# Altium PCB bms_R00.PcbDoc (part 3 of 3)
Units mm, origin at the board's own origin, x right, y up, seen from the top; angles counter-clockwise.
Board outline 110 x 142 mm, 2 copper layers (Top Layer, Bottom Layer); 311 components, 169 nets, 819 pads, 521 vias.
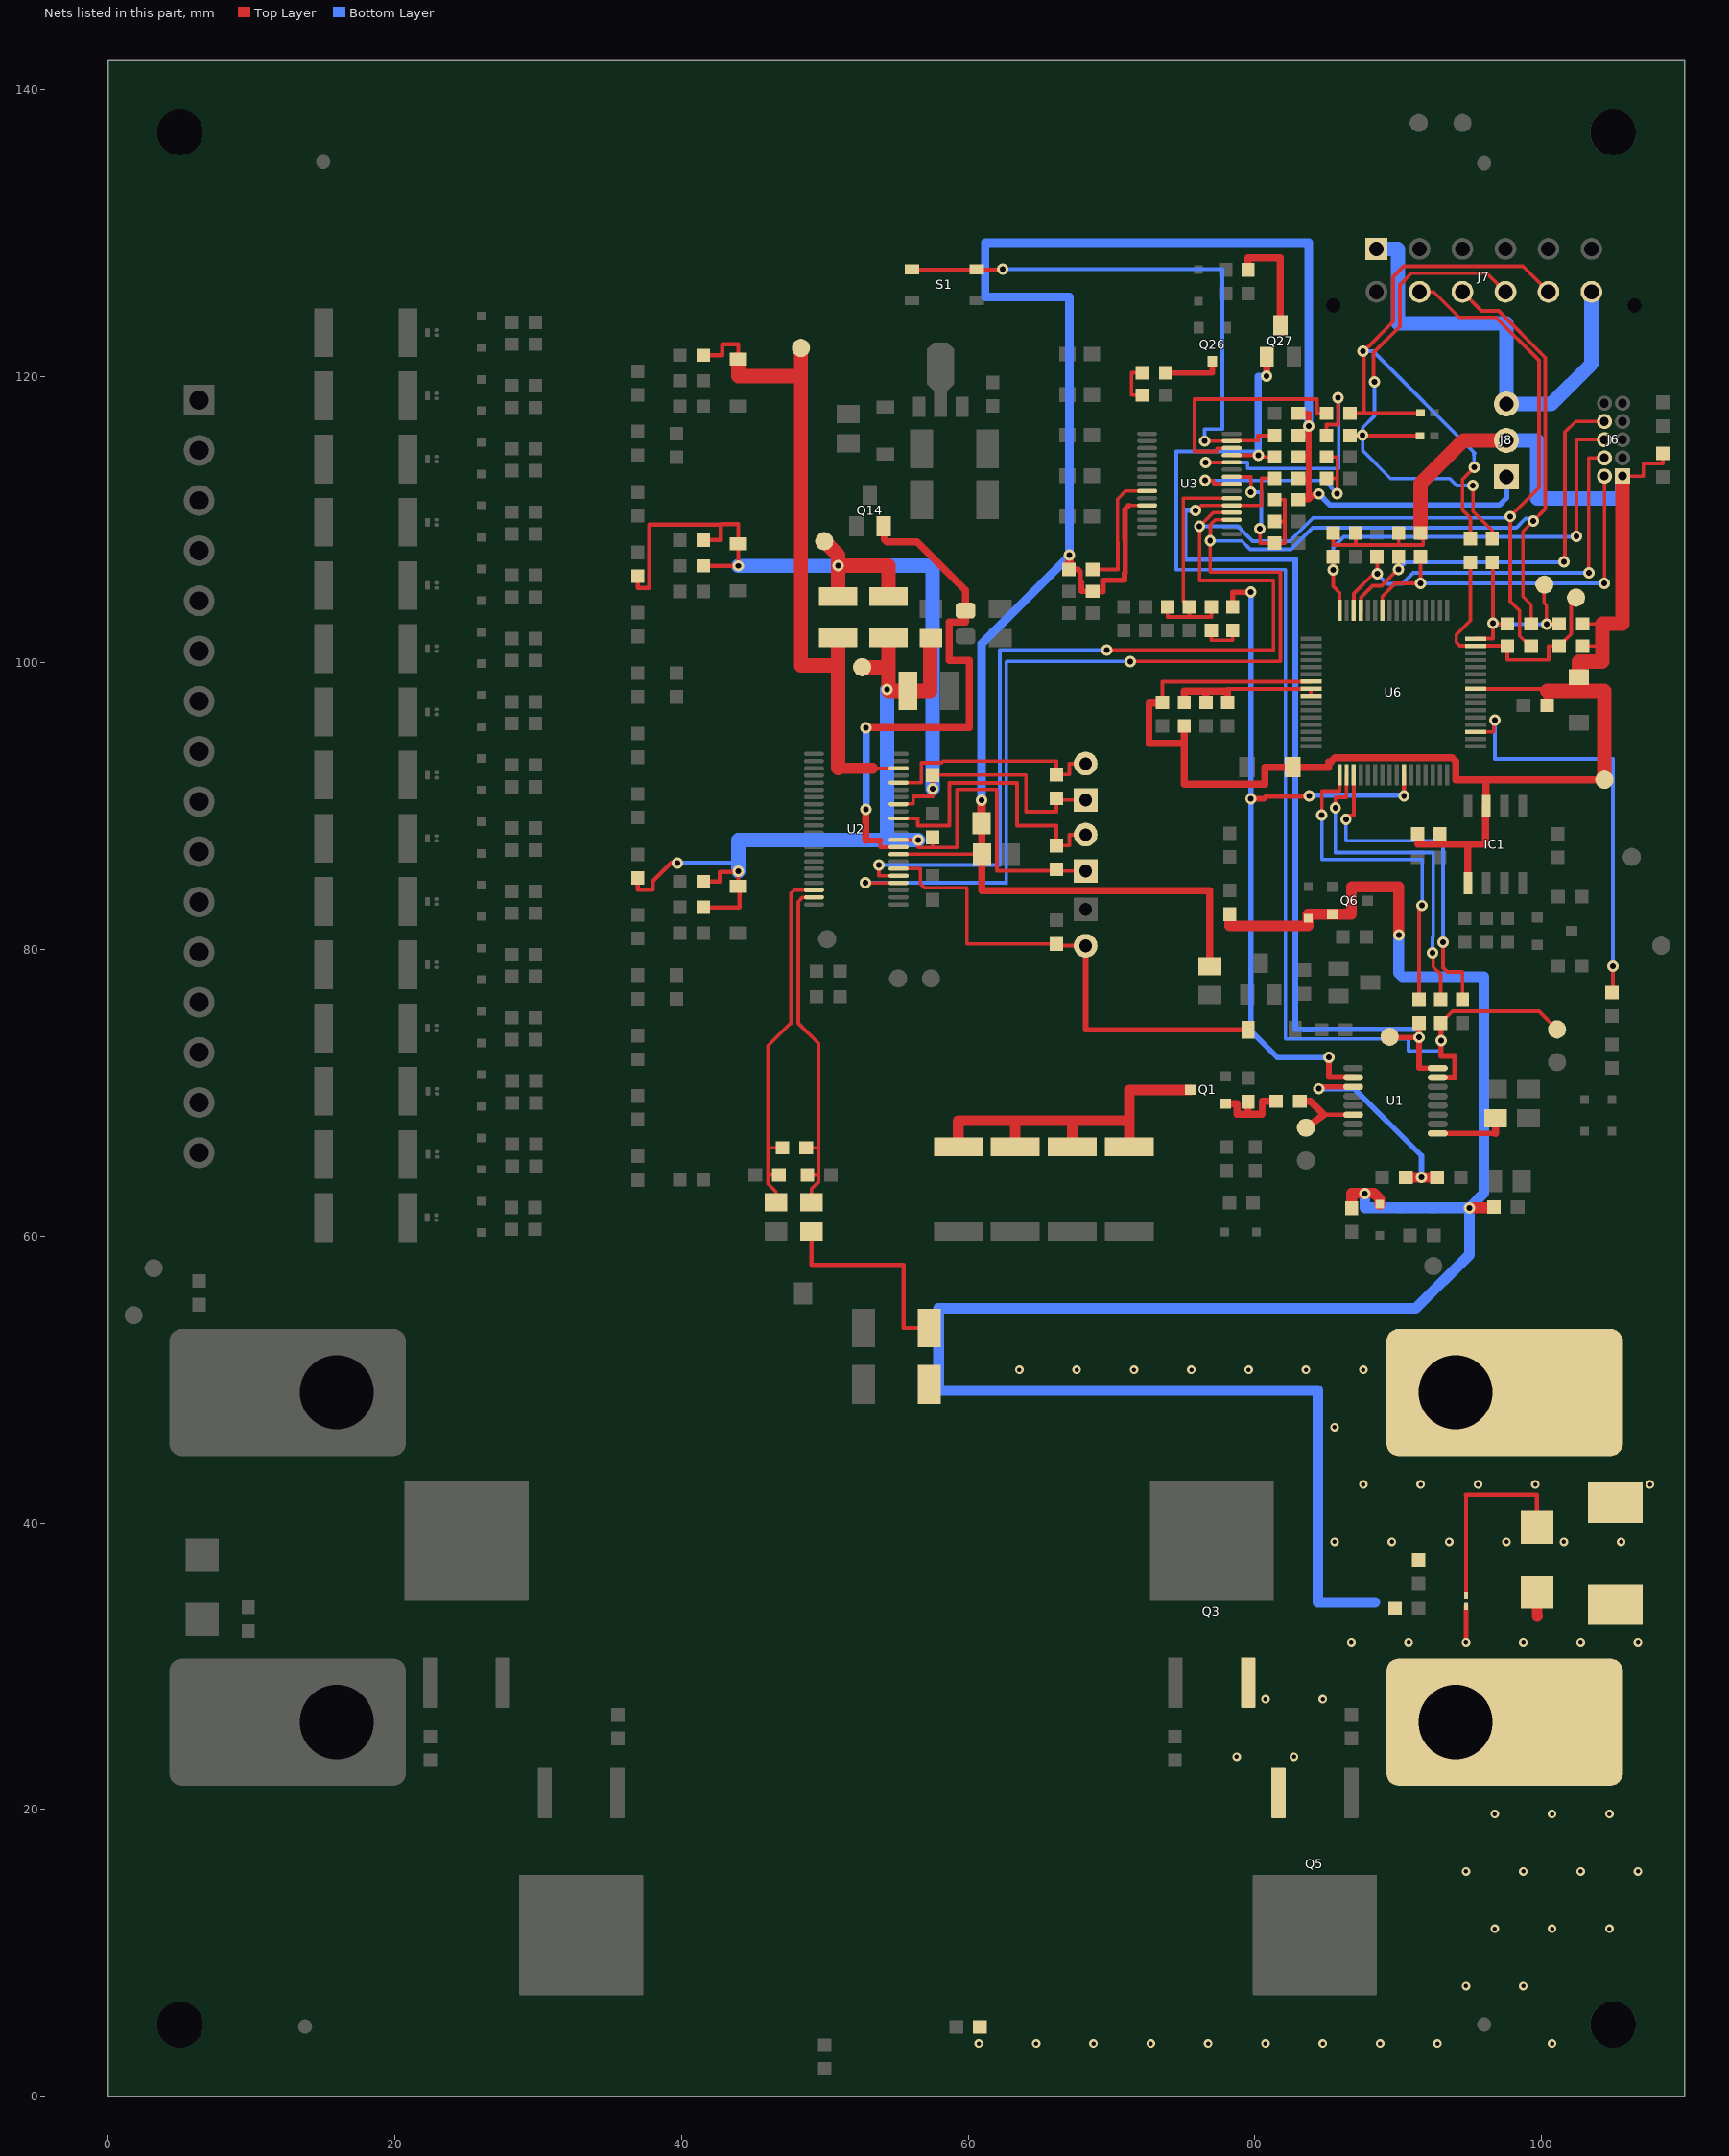
[diagram p3: the nets of this part, all layers, seen from the top]

## Via types
v1: diameter 0.6, hole 0.3, Top Layer to Bottom Layer, tented both sides, 380 vias
v2: diameter 0.8, hole 0.4, Top Layer to Bottom Layer, tented both sides, 141 vias

## Nets (pads, with @x,y where several pads share a name; then routed paths per layer and width w, separated by ;. In a path a pad name is that pad's centre, name@x,y a point inside that pad or via, vN(x,y) a via of type N, cw(c..) or ccw(c..) an arc to the next point about the centre after c; other vN are vias at no path point) (continued)
NetQ26_3: Q26.3 R85.1 | length 4
  Top Layer w0.381: R85.1@73.799,120.23 77.038,120.23 Q26.3@77.038,120.992
NetQ27_3: Q27.3 R83.1 | length 7.8
  Top Layer w0.5: R83.1@79.527,127.419 79.527,128.245 81.788,128.245 Q27.3@81.788,123.545
NetR84_2: R84.2 R86.1 | length 2.9
  Top Layer w0.254: R86.1@76.962,102.26 76.962,101.575 78.461,101.575 R84.2@78.46,102.26
NetR85_2: R85.2 R87.1 | length 3
  Top Layer w0.254: R87.1@72.149,118.681 71.399,118.681 71.399,120.23 R85.2@72.149,120.23
NetR90_1: R90.1 S1.1 S1.2 U3.14 | length 40.2
  Top Layer w0.254: S1.1@56.094,127.44 S1.2@60.594,127.44 62.408,127.44 v2(62.408,127.457) ; v2(76.505,115.468) 78.373,115.468 U3.14@78.388,115.483 78.388,115.506 80.21,115.506 80.21,115.862 R90.1@81.395,115.862
  Bottom Layer w0.254: v2(62.408,127.457) 77.749,127.457 77.749,116.307 76.505,116.307 v2(76.505,115.468)
NetR94_1: R94.1 R99.1 U3.8 | length 15.7
  Top Layer w0.254: v2(76.53,112.725) 77.114,112.725 77.114,112.483 U3.8@78.388,112.483 ; R94.1@85.002,112.878 85.75,112.878 ; R99.1@85.002,114.363 85.75,114.363 85.75,112.878 ; v2(85.75,111.811) 85.75,112.878
  Bottom Layer w0.254: v2(76.53,112.725) 84.836,112.725 v2(85.75,111.811)
NetR95_1: R95.1 R96.2 R98.1 U3.9 | length 12.9
  Top Layer w0.254: U3.9@78.388,112.983 79.731,112.983 v2(79.731,111.912) ; v2(80.366,109.372) 80.366,108.356 R95.1@81.395,108.356 82.093,108.356 82.093,109.868 ; R98.1@81.395,109.855 81.395,109.868 82.093,109.868 ; R96.2@81.395,111.379 82.093,111.379 82.093,109.868
  Bottom Layer w0.254: v2(79.731,111.912) 80.442,111.912 80.442,109.372 v2(80.366,109.372)
NetR97_1: R97.1 U3.24 | length 9
  Top Layer w0.254: R97.1@68.682,106.514 70.434,106.514 70.434,108.349 70.426,108.357 70.426,111.422 70.988,111.983 U3.24@72.488,111.983
NetR100_1: R100.1 U3.11 | length 19.9
  Top Layer w0.254: v2(76.581,113.983) U3.11@78.388,113.983 ; R100.1@85.001,115.862 85.001,116.622 85.803,116.622 85.803,118.491 v2(85.801,118.491)
  Bottom Layer w0.254: v2(76.581,113.983) 79.502,113.983 79.502,113.563 85.852,113.563 85.852,118.491 v2(85.801,118.491)
NetR101_1: R101.1 U3.13 | length 16.7
  Top Layer w0.254: U3.13@78.388,114.983 78.388,114.96 77.361,114.96 77.361,114.741 75.778,114.741 75.778,118.389 84.337,118.389 84.337,117.411 R101.1@85.001,117.411
PACK: R17.1 R18.2 U1.11 | length 15.3
  Top Layer w0.381: v2(84.48,70.282) 84.48,70.419 U1.11@86.864,70.419
  Top Layer w0.75: R17.1@90.538,64.11 v2(91.627,64.11) R18.2@92.717,64.11
  Bottom Layer w0.381: v2(84.48,70.282) 86.954,70.282 91.627,65.608 v2(91.627,64.11)
PACK+: C2.1 C4.2 D2.K D3.1 D5.2 D7.1 E1.1 J4.1 Q3.3 Q5.3 Q6.2 R11.2 R16.2 R19.2 | length 154.5
  Top Layer w0.35: v1(94.742,31.674) E1.1@94.742,34.163
  Top Layer w0.75: R19.2@78.257,82.462 78.257,81.639 83.718,81.639 D7.1@83.718,82.187 83.718,82.464 Q6.2@85.439,82.464 86.741,82.464 86.741,84.379 90.043,84.379 v2(90.043,81.001) ; R11.2@86.766,61.95 86.766,62.992 88.323,62.992 88.722,62.593 D5.2@88.722,62.246 D5.2@88.722,62.219 ; v2(94.971,61.976) 96.686,61.976 R16.2@96.686,62.027 ; D2.K@99.695,35.179 99.695,33.528 99.72,33.528
  Bottom Layer w0.75: v2(87.681,62.967) 87.681,61.976 v2(94.971,61.976) ; 88.367,34.442 84.404,34.442 84.404,49.251 57.937,49.251 57.937,54.966 91.237,54.966 94.971,58.699 v2(94.971,61.976) ; v2(90.043,81.001) 90.043,78.359 90.297,78.105 95.987,78.105 95.987,62.992 v2(94.971,61.976)
  other v1: 60.742,3.674 64.742,3.674 68.742,3.674 72.742,3.674 76.742,3.674 80.742,3.674 84.742,3.674 88.742,3.674 92.742,3.674 100.742,3.674 94.742,7.674 98.742,7.674 96.742,11.674 100.742,11.674 104.742,11.674 94.742,15.674 98.742,15.674 102.742,15.674 106.742,15.674 96.742,19.674 100.742,19.674 104.742,19.674 78.742,23.674 82.742,23.674 80.742,27.674 84.742,27.674 86.742,31.674 90.742,31.674 98.742,31.674 102.742,31.674 106.742,31.674
PACK-: C1.2 D2.A D3.2 E1.2 J2.1 R2.2 R3.2 R80.1 | length 29.2
  Top Layer w0.254: E1.2@94.742,34.925 94.742,41.961
  Top Layer w0.3: R80.1@49.073,60.325 49.073,57.988 55.499,57.988 55.499,53.594 R2.2@57.3,53.594 ; 94.742,41.961 99.695,41.961 D2.A@99.695,39.679
  other v1: 85.567,38.672 89.567,38.672 93.567,38.672 97.567,38.672 101.567,38.672 105.567,38.672 87.567,42.672 91.567,42.672 95.567,42.672 99.567,42.672 107.567,42.672 85.567,46.672 63.567,50.672 67.567,50.672 71.567,50.672 75.567,50.672 79.567,50.672 83.567,50.672 87.567,50.672
PACKDIV: R84.1 U1.10 U6.26 | length 54.5
  Top Layer w0.3: v2(90.41,90.703) U6.26@90.41,92.199
  Top Layer w0.381: R84.1@78.46,103.91 78.46,104.927 v2(79.731,104.927) ; v2(79.731,90.514) 80.634,90.514 80.823,90.703 v2(83.795,90.703) ; v2(85.166,72.466) 85.166,71.103 86.864,71.103 U1.10@86.864,71.069
  Bottom Layer w0.381: v2(79.731,104.927) v2(79.731,90.514) 79.731,74.306 81.57,72.466 v2(85.166,72.466) ; v2(83.795,90.703) 83.849,90.757 90.356,90.757 v2(90.41,90.703)
PCHG: R14.2 TP2.1 U1.14 | length 5.6
  Top Layer w0.3: 84.811,68.469 U1.14@86.864,68.469
  Top Layer w0.5: R14.2@83.146,69.405 83.876,69.405 84.811,68.47 84.811,68.469 TP2.1@83.566,67.564
PCHG_EN: R92.2 RDNP1.2 TP8.1 U1.8 U3.5 | length 68
  Top Layer w0.254: v2(75.87,110.642) 75.921,110.642 76.262,110.983 U3.5@78.388,110.983 80.467,110.983 80.467,112.878 R92.2@81.395,112.878
  Top Layer w0.381: TP8.1@89.408,73.914 89.459,73.863 v2(91.465,73.863) ; RDNP1.2@91.465,74.867 v2(91.465,73.863) ; U1.8@92.764,71.719 91.465,71.719 v2(91.465,73.863)
  Bottom Layer w0.381: v2(75.87,110.642) 75.108,110.642 75.108,107.239 82.829,107.239 82.829,74.422 83.413,74.422 83.416,74.419 84.071,74.419 84.074,74.422 91.465,74.422 v2(91.465,73.863)
PDRAIN: Q1.3 R5.1 R6.1 R7.1 R8.1 | length 25.7
  Top Layer w0.75: R5.1@59.309,66.222 59.309,68.047 63.288,68.047 ; R6.1@63.288,66.222 63.288,68.047 ; R7.1@67.268,66.222 67.268,68.047 ; R8.1@71.247,66.222 71.247,68.047 ; Q1.3@75.533,70.206 71.247,70.206 71.247,68.047 ; 63.288,68.047 67.268,68.047 ; 67.268,68.047 71.247,68.047
PGATE: Q1.1 R9.1 R14.1 | length 6.1
  Top Layer w0.5: Q1.1@77.933,69.256 78.765,69.256 78.765,68.504 79.527,68.504 ; R9.1@79.527,69.381 79.527,68.504 ; R14.1@81.496,69.405 80.518,69.405 80.518,68.504 79.527,68.504
PMON_EN: Q27.1 R93.2 RDNP2.2 TP7.1 U1.7 U3.12 | length 92.3
  Top Layer w0.254: U3.12@78.388,114.483 v2(80.239,114.483) 80.239,114.363 R93.2@81.395,114.363 ; RDNP2.2@92.964,74.867 93.789,75.692 99.822,75.692 TP7.1@101.092,74.422
  Top Layer w0.381: U1.7@92.764,71.069 93.955,71.069 93.955,72.568 92.989,72.568 v2(92.989,73.635) 92.989,74.867 RDNP2.2@92.964,74.867
  Top Layer w0.5: v2(80.823,119.99) 80.838,119.99 Q27.1@80.838,121.345
  Bottom Layer w0.254: v2(80.239,114.483) 80.239,114.741 75.778,114.741 75.778,114.757 74.524,114.757 74.524,106.502 82.144,106.502 82.144,73.768 90.729,73.768 90.729,72.923 92.989,72.923 v2(92.989,73.635)
  Bottom Layer w0.5: v2@80.239,114.741 80.239,119.99 v2(80.823,119.99)
PTB4: RDNP3.1 U6.19 | length 24.3
  Top Layer w0.254: v2(86.36,89.078) 86.36,89.281 86.284,89.357 86.91,89.357 U6.19@86.91,92.199 ; v2(93.142,80.518) 93.142,78.74 93.447,78.435 94.488,78.435 RDNP3.1@94.488,76.517
  Bottom Layer w0.254: v2(86.36,89.078) 86.36,87.579 93.142,87.579 v2(93.142,80.518)
PTB5: RDNP2.1 U6.18 | length 23.7
  Top Layer w0.254: v2(85.623,89.865) 85.566,89.865 85.557,89.875 85.7,90.018 85.623,90.094 85.623,90.605 86.387,90.605 86.387,92.199 U6.18@86.41,92.199 ; v2(92.405,79.756) 92.456,79.705 92.456,78.784 92.964,78.276 RDNP2.1@92.964,76.517
  Bottom Layer w0.254: v2@85.639,89.865 v2(85.623,89.865) 85.623,86.766 92.447,86.766 92.447,80.851 92.405,80.81 v2(92.405,79.756)
PTC9: RDNP6.1 U6.35 | length 29.5
  Top Layer w0.254: U6.35@95.398,95.187 96.672,95.187 96.672,96.012 v2(96.749,96.012) ; RDNP6.1@104.927,77 104.978,77 v2(104.978,78.842)
  Bottom Layer w0.254: v2(96.749,96.012) 96.749,93.294 104.978,93.294 v2(104.978,78.842)
PTE8: RDNP1.1 U6.17 | length 24
  Top Layer w0.254: v2(84.684,89.383) 84.684,91.059 85.91,91.059 U6.17@85.91,92.199 ; RDNP1.1@91.465,76.517 91.465,82.855 v2(91.678,83.068)
  Bottom Layer w0.254: v2(84.684,89.383) 84.684,86.284 91.678,86.284 v2(91.678,83.068)
REGOUT: C29.2 NT2.1 R34.2 U2.8 | length 31.3
  Top Layer w0.254: U2.8@55.147,86.642 60.96,86.642 C29.2@60.96,86.614 ; NT2.1@60.935,88.417 NT2.1@60.96,88.417
  Top Layer w0.5: C29.2@60.96,86.614 60.96,84.099 76.86,84.099 R34.2@76.86,78.842 ; C29.2@60.96,86.642 NT2.1@60.96,88.417
REGSRC: C21.2 Q14.2 U2.9 | length 37.9
  Top Layer w0.254: 53.873,87.605 53.873,87.142 U2.9@55.147,87.142
  Top Layer w0.381: 52.857,87.605 53.873,87.605
  Top Layer w0.5: 52.857,87.605 v2(52.857,89.764) ; v2@52.959,95.479 60.071,95.479 60.071,100.178 58.667,100.178 58.667,102.843 59.817,102.843 C21.2@59.817,103.643 59.817,105.054 56.44,108.432 54.332,108.432 54.153,108.61 Q14.2@54.153,109.517
  Bottom Layer w0.5: v2(52.857,89.764) 52.874,89.764 v2(52.874,95.479)
SCL: J7.8 RDNP10.1 U2.5 U3.4 | length 115.6
  Top Layer w0.254: v2(53.772,85.903) 53.772,85.142 U2.5@55.147,85.142 ; v2(69.672,100.889) 81.305,100.889 81.305,105.74 76.149,105.74 v2(76.149,109.525) 77.108,110.483 U3.4@78.388,110.483 ; J7.8@91.491,125.88 92.484,125.88 94.259,124.104 96.825,124.104 99.822,121.107 99.822,112.217 v2(97.815,110.211) 97.815,104.292 98.473,103.634 98.473,101.882 99.187,101.168 RDNP10.1@99.275,101.168
  Bottom Layer w0.254: v2(53.772,85.903) 62.211,85.903 62.211,100.889 v2(69.672,100.889) ; v2(76.149,109.525) 78.816,109.525 79.858,108.483 82.441,108.483 84.067,110.109 97.714,110.109 v2(97.815,110.211)
SCL_LPI2C0: R103.2 RDNP10.2 RDNP12.2 TP14.1 U6.47 | length 19.1
  Top Layer w0.254: RDNP12.2@95.047,107.023 95.047,102.946 94.056,101.956 94.056,101.448 94.317,101.187 U6.47@95.398,101.187 97.625,101.187 RDNP10.2@97.625,101.168 97.625,100.203 100.508,100.203 100.508,101.168 R103.2@101.232,101.168 102.08,102.016 102.08,104.214 TP14.1@102.413,104.546
SDA: J7.9 RDNP9.1 U2.4 U3.3 | length 113.3
  Top Layer w0.254: v2@53.035,84.642 U2.4@55.147,84.642 ; v2(71.323,100.101) 81.788,100.101 81.788,106.324 76.886,106.324 v2(76.886,108.509) ; v2@76.911,108.68 76.911,109.645 77.248,109.982 U3.3@78.388,109.983 U3.3@78.388,109.983 ; J7.9@94.491,125.88 95.812,124.558 97.013,124.558 100.276,121.295 100.276,110.741 v2(99.416,109.88) 98.704,109.169 98.704,104.623 99.275,104.052 RDNP9.1@99.275,102.718
  Bottom Layer w0.254: v2(52.832,84.658) 62.64,84.658 62.665,84.633 62.665,100.063 62.703,100.101 v2(71.323,100.101) ; v2(76.886,108.509) 79.096,108.509 79.68,107.925 82.525,107.925 84.023,109.423 98.247,109.423 98.882,110.058 99.238,110.058 v2(99.416,109.88)
SDA_LPI2C0: R102.2 RDNP9.2 RDNP11.2 TP13.1 U6.48 | length 15.1
  Top Layer w0.254: U6.48@95.398,101.687 96.622,101.687 v2@96.622,102.718 ; RDNP11.2@96.571,107.023 96.622,106.973 v2(96.622,102.768) v2@96.622,102.718 ; RDNP9.2@97.625,102.718 v2@96.622,102.718 ; TP13.1@100.203,105.461 100.178,105.435 100.178,104.191 100.355,104.013 v2(100.355,102.692) 101.207,102.692 R102.2@101.232,102.718
  Bottom Layer w0.254: v2(96.622,102.768) 96.622,102.718 96.647,102.692 v2(100.355,102.692)
SMBC: J7.11 R101.2 RDNP12.1 U4.2 | length 45.6
  Top Layer w0.254: 87.605,117.411 R101.2@86.651,117.411 86.651,117.436 87.605,117.436 ; U4.2@91.55,117.436 87.605,117.436 ; RDNP12.1@95.047,108.673 95.047,110.109 94.498,110.658 94.498,112.811 95.313,113.627 v2@95.472,113.785 ; J7.11@100.491,125.88 98.71,127.66 90.399,127.66 89.662,126.924 89.662,123.8 87.605,121.742 87.605,117.436
  Bottom Layer w0.254: v2(87.554,121.742) 88.24,121.742 95.352,114.63 95.275,114.554 95.301,114.529 v2(95.301,113.64)
SMBD: J7.10 R100.2 RDNP11.1 U5.2 | length 38.8
  Top Layer w0.254: R100.2@86.651,115.862 91.524,115.862 U5.2@91.524,115.824 ; v2(88.341,119.609) 88.29,119.659 88.29,121.641 90.116,123.466 90.116,126.362 90.932,127.178 96.193,127.178 J7.10@97.491,125.88 ; v2(95.225,112.37) 95.225,110.573 96.571,109.227 RDNP11.1@96.571,108.673
  Bottom Layer w0.254: v2(88.341,119.609) 88.341,117.221 87.528,116.408 v2(87.528,115.875) 87.528,114.808 89.475,112.862 93.595,112.862 94.088,112.37 v2(95.225,112.37)
SRN: C41.1 C42.2 R80.2 U2.43 | length 24.6
  Top Layer w0.254: C42.2@48.704,66.167 49.555,66.167 ; C41.1@48.781,64.262 49.555,64.262 ; R80.2@49.073,62.357 49.073,63.297 49.555,63.779 49.555,64.262 ; U2.43@49.247,83.642 48.463,83.642 48.158,83.337 48.158,74.854 49.555,73.457 49.555,66.167 ; 49.555,64.262 49.555,66.167
SRP: C42.1 C43.2 R81.2 U2.42 | length 25.9
  Top Layer w0.254: R81.2@46.596,62.357 46.596,63.107 46.025,63.678 46.025,64.262 ; C43.2@46.799,64.262 46.025,64.262 ; C42.1@47.054,66.167 46.025,66.167 ; 47.6,74.854 46.025,73.279 46.025,66.167 ; 47.65,74.849 47.65,83.922 47.871,84.142 U2.42@49.247,84.142 ; 46.025,64.262 46.025,66.167
"SWD CLK": J6.4 R108.1 U6.62 | length 29.1
  Top Layer w0.254: U6.62@86.91,103.675 86.91,104.842 88.265,106.197 v2(88.544,106.197) 88.544,107.404 R108.1@88.519,107.404 ; v2@103.302,106.274 103.302,114.3 J6.4@104.394,114.3
  Bottom Layer w0.254: v2(88.544,106.197) 89.23,105.512 90.297,105.512 91.059,106.274 v2(103.327,106.274)
"SWD DIO": J6.2 R112.1 U6.58 | length 26.2
  Top Layer w0.254: U6.58@88.91,103.675 88.91,104.658 89.789,105.537 v2(91.567,105.537) R112.1@91.567,107.404 ; v2(104.394,105.537) J6.2@104.394,113.03
  Bottom Layer w0.254: v2(91.567,105.537) v2(104.394,105.537)
SWO: J6.6 R111.1 U6.64 | length 31.6
  Top Layer w0.254: R111.1@85.471,107.404 v2(85.471,106.477) 85.471,105.334 85.91,104.895 U6.64@85.91,103.675 ; v2(102.438,108.814) 102.438,115.57 J6.6@104.394,115.57
  Bottom Layer w0.254: v2(85.471,106.477) 85.471,108.052 86.208,108.788 102.489,108.788 102.464,108.814 v2(102.438,108.814)
TDI: J6.8 R110.1 U6.61 | length 29.5
  Top Layer w0.254: U6.61@87.41,103.675 87.41,104.58 88.214,105.385 88.849,105.385 90.043,106.578 R110.1@90.043,107.404 ; v2(101.575,107.061) 101.648,107.134 101.648,116.1 102.387,116.84 J6.8@104.394,116.84
  Bottom Layer w0.254: v2(90.018,106.502) 90.526,107.01 101.244,107.01 101.575,107.34 v2(101.575,107.061)
TS1: C27.2 D10.1 RT3.2 U2.6 | length 35.7
  Top Layer w0.254: U2.6@55.147,85.642 56.667,85.642 56.667,84.586 56.95,84.303 59.919,84.303 59.919,80.392 C27.2@66.167,80.392 66.167,80.264 RT3.2@68.199,80.264
  Top Layer w0.381: RT3.2@68.199,80.518 RT3.2@68.199,80.264 68.199,74.397 D10.1@79.541,74.397
TS2: C24.2 RT2.2 U2.13 | length 21.7
  Top Layer w0.254: U2.13@55.147,89.142 56.49,89.142 56.49,88.646 58.699,88.646 58.699,91.618 63.424,91.618 63.424,88.646 66.167,88.646 C24.2@66.167,87.249 67.056,87.249 67.056,88.011 RT2.2@68.199,88.011
TS3: C22.2 RT1.2 U2.18 | length 16.2
  Top Layer w0.254: U2.18@55.147,91.642 56.741,91.642 56.741,93.018 58.129,93.018 58.253,93.142 66.167,93.142 C22.2@66.167,92.202 67.056,92.202 67.056,92.964 RT1.2@68.199,92.964
VAUX: C44.2 R86.2 R88.1 U3.6 | length 16.3
  Top Layer w0.254: R88.1@73.914,103.91 73.914,103.2 75.438,103.2 ; R86.2@76.962,103.91 76.962,103.2 75.438,103.2 ; U3.6@78.388,111.483 75.006,111.483 75.006,104.342 C44.2@75.438,103.91 75.438,103.2
VC5X: C17.1 C19.2 C24.1 C25.1 C33.1 C34.1 D23.1 R47.1 R63.2 RT2.1 TP11.1 U2.10 | length 79.3
  Top Layer w0.254: U2.10@55.147,87.642 v2(56.515,87.642) 56.515,87.122 57.531,87.122 ; C25.1@57.277,87.821 57.531,87.567 57.531,87.122 ; RT2.1@68.199,85.471 66.167,85.471 C24.1@66.167,85.599 66.055,85.487 62.001,85.487 62.001,91.161 59.207,91.161 59.207,87.122 57.531,87.122
  Top Layer w0.3: C33.1@36.957,84.987 36.957,84.168 37.998,84.168 37.998,84.76 39.268,86.03 v2(39.726,86.03) ; R63.2@41.529,82.939 44.044,82.939 44.044,84.416 D23.1@43.967,84.416 v2@43.967,85.42 ; C34.1@41.529,84.734 42.672,84.734 42.672,85.42 v2@43.967,85.42 ; v2(43.967,85.446) v2@43.967,85.42
  Top Layer w1: TP11.1@52.603,99.695 54.416,99.695 54.441,99.67 ; v2@54.441,98.044 C19.2@55.797,98.044 57.347,98.044 57.347,101.727 R47.1@57.404,101.727 ; v2@54.441,98.146 54.441,99.67 ; C17.1@54.441,101.73 54.441,99.67
  Bottom Layer w0.3: v2(39.726,86.03) 43.942,86.03 43.942,85.446 v2(43.967,85.446)
  Bottom Layer w1: v2(43.967,85.446) 43.967,87.642 54.356,87.642 ; v2(54.356,98.146) 54.356,87.642 ; v2(56.515,87.642) 54.356,87.642
VC10X: C13.1 C14.1 C15.1 C17.2 C22.1 C23.1 D17.1 R43.2 RT1.1 TP10.1 U2.15 | length 77.6
  Top Layer w0.254: U2.15@55.147,90.142 55.147,90.165 56.174,90.165 56.174,90.678 57.531,90.678 v2(57.531,91.211) C23.1@57.531,92.17 64.033,92.17 64.033,89.611 66.167,89.611 C22.1@66.167,90.424 ; C22.1@66.167,90.552 C22.1@66.167,90.424 ; RT1.1@68.199,90.424 C22.1@66.167,90.424
  Top Layer w0.3: C13.1@36.957,106.055 36.957,105.216 37.77,105.216 37.77,109.652 42.748,109.652 ; R43.2@41.529,106.764 v2(43.967,106.764) D17.1@43.967,108.306 43.967,109.677 42.748,109.677 42.748,109.652 ; C14.1@41.529,108.56 42.748,108.56 42.748,109.652
  Top Layer w1: TP10.1@49.962,108.483 50.927,107.518 v2(50.927,106.782) ; C15.1@50.927,104.63 v2(50.927,106.782) ; C17.2@54.441,104.63 54.441,106.782 v2(50.927,106.782)
  Bottom Layer w1: v2(43.967,106.764) v2@50.927,106.779 ; v2@50.927,106.764 v2(50.927,106.782) 57.531,106.782 v2(57.531,91.211)
VC15X: C15.2 D8.1 R20.2 TP9.1 U2.20 | length 47.8
  Top Layer w0.254: 53.34,92.642 U2.20@55.147,92.642
  Top Layer w0.3: R20.2@41.529,121.463 42.85,121.463 42.85,122.225 43.967,122.225 D8.1@43.967,121.195
  Top Layer w0.75: 50.927,92.642 53.34,92.642
  Top Layer w1: D8.1@43.967,121.195 43.967,120.015 48.336,120.015 ; TP9.1@48.336,121.971 48.336,120.015 ; 50.927,92.642 50.927,99.822 ; C15.2@50.927,101.73 50.927,99.822 ; 48.336,120.015 48.336,99.822 50.927,99.822
VCC: C46.2 J8.1 NT2.2 R90.2 R91.1 R92.1 R93.1 R96.1 R97.2 U3.26 | length 123.4
  Top Layer w0.254: 71.207,110.983 U3.26@72.488,110.983
  Top Layer w0.381: R97.2@67.032,106.514 67.679,106.514 67.816,106.377 67.816,105.696 67.897,105.615 67.897,104.99 C46.2@68.682,104.99 68.682,104.953 69.409,104.953 69.409,105.752 70.917,105.752 70.917,106.265 70.952,106.3 70.952,108.563 70.943,108.571 70.943,110.72 71.207,110.983 ; R96.1@83.045,111.379 83.769,111.379 ; R92.1@83.045,112.878 83.045,112.801 83.769,112.801 ; R93.1@83.045,114.363 83.045,114.376 83.769,114.376 ; R90.2@83.045,115.862 83.045,115.824 83.769,115.824 ; R91.1@83.045,117.411 83.769,117.411 v2(83.769,116.535) 83.769,115.824 ; v2(84.48,111.785) 84.176,111.785 83.769,111.379 ; 83.769,111.379 83.769,112.801 ; 83.769,112.801 83.769,114.376 ; 83.769,114.376 83.769,115.824
  Top Layer w0.6: NT2.2@60.935,89.179 v2(60.935,90.399) ; R97.2@67.032,106.514 67.056,106.539 v2(67.056,107.518)
  Bottom Layer w0.381: v2(84.48,111.785) 85.245,111.02 97.076,111.02 97.561,111.506 J8.1@97.561,112.979
  Bottom Layer w0.6: v2(60.935,90.399) 60.935,101.321 67.056,107.442 v2(67.056,107.518) 67.056,125.527 61.189,125.527 61.189,129.311 83.769,129.311 v2(83.769,116.535)
VDD: C48.2 C49.2 C50.1 C53.1 C54.2 C55.2 C57.1 IC1.3 IC1.5 J6.1 J8.2 L5.1 R102.1 R103.1 R109.2 R110.2 R111.2 R112.2 TP15.1 U6.7 U6.41 | length 145.1
  Top Layer w0.254: C48.2@73.558,97.243 73.558,98.687 U6.7@83.922,98.687 ; R111.2@85.471,109.054 85.471,108.229 87.046,108.229 ; R109.2@87.046,109.054 87.046,108.229 ; R110.2@90.043,109.054 90.043,108.229 ; R112.2@91.567,109.054 91.745,109.054 91.745,108.229 90.043,108.229 ; U6.41@95.398,98.187 100.393,98.187 ; R103.1@102.882,101.168 103.886,101.168 ; R102.1@102.882,102.718 103.886,102.718 103.886,101.168 ; 103.886,100.33 103.886,101.168 ; J6.1@105.664,113.03 107.112,113.03 107.112,113.894 108.458,113.894 C54.2@108.458,114.617 ; 87.046,108.229 90.043,108.229
  Top Layer w0.5: C48.2@73.558,97.243 73.558,97.206 72.619,97.206 72.619,94.386 75.082,94.386 ; 75.082,91.542 80.696,91.542 80.696,92.71 C53.1@82.651,92.71 85.166,92.71 85.166,93.076 85.31,93.076 85.31,93.123 85.573,93.387 93.746,93.387 94.01,93.123 94.01,91.846 96.139,91.846 ; 75.082,91.592 75.082,94.386 ; L5.1@75.082,95.593 75.082,94.386 ; C55.2@91.364,88.074 91.364,87.349 92.913,87.349 ; C57.1@92.913,88.074 92.913,87.349 ; IC1.5@94.869,84.618 94.869,87.349 ; C49.2@100.393,97.028 100.393,98.044 ; TP15.1@104.394,91.846 96.139,91.846 ; 92.913,87.349 94.869,87.349 ; 94.869,87.349 96.114,87.349 96.114,90.018 IC1.3@96.139,90.018 96.139,91.846
  Top Layer w1: R112.2@91.567,109.054 91.567,112.522 94.564,115.519 J8.2@97.561,115.519 ; 100.393,98.044 102.616,98.044 ; TP15.1@104.394,91.846 104.394,98.044 102.616,98.044 ; J6.1@105.664,113.03 105.664,102.718 104.242,102.718 104.242,100.076 102.616,100.076 C50.1@102.616,99.009 102.616,98.044
  Bottom Layer w1: J8.2@97.561,115.519 99.695,115.519 99.695,111.481 105.627,111.481 105.627,113.03 J6.1@105.664,113.03
"VDD EXT": J7.1 J7.12 J8.3 | length 32
  Bottom Layer w1: J7.1@88.491,128.88 89.992,128.88 89.992,123.673 97.561,123.673 J8.3@97.561,118.059 100.686,118.059 103.491,120.864 J7.12@103.491,125.88
VDDA: C51.2 C52.2 L5.2 U6.8 U6.9 | length 11.8
  Top Layer w0.254: 78.104,98.019 78.104,98.187 U6.8@83.922,98.187 U6.9@83.922,97.687
  Top Layer w0.5: L5.2@75.082,97.243 75.082,98.019 76.593,98.019 ; C52.2@76.606,97.243 76.593,97.243 76.593,98.019 ; C51.2@78.104,97.243 78.104,98.019 76.593,98.019
VDDCP: C5.2 U1.1 | length 5.1
  Top Layer w0.381: U1.1@92.764,67.169 96.799,67.169
  Top Layer w0.5: 96.799,67.169 C5.2@96.799,68.237
pads on no net: FID1.1 FID2.1 FID3.1 FID4.1 H1.1 H2.1 H3.1 H4.1 J6.7 J7. Q8.0 Q9.0 Q10.0 Q12.0 Q13.0 Q15.0 Q16.0 Q17.0 Q19.0 Q20.0 Q21.0 Q22.0 Q23.0 Q24.0 Q25.0 U1.3 U1.13 U1.15 U2.21 U2.22 U2.23 U3.1 U3.10 U3.29 U6.3 U6.4 U6.5 U6.6 U6.11 U6.12 U6.13 U6.14 U6.15 U6.16 U6.22 U6.23 U6.24 U6.25 U6.27 U6.28 U6.29 U6.30 U6.31 U6.32 U6.36 U6.37 U6.38 U6.39 U6.42 U6.43 U6.44 U6.45 U6.46 U6.49 U6.50 U6.51 U6.52 U6.53 U6.54 U6.55 U6.56 U6.57 U6.59

## Polygon pours and split planes (outlines as drawn)
GND on Top Layer "Top Layer-No Net 1" (solid, remove dead copper, pour order 78): 0.004,55.474 0.004,142 109.971,142 109.971,55.474
PACK- on Top Layer "Top Layer-PACK-" (solid, remove dead copper, pour order 54): 109.982,55.397 109.982,35.331 cw(c109.491,35.822) 109.491,35.128 96.672,35.128 cw(c96.672,35.803) 96.195,35.326 95.504,36.017 ccw(c94.032,34.546) 94.032,36.627 85.242,36.627 cw(c85.242,38.557) 83.312,38.557 83.312,45.263 ccw(c80.772,45.263) 80.772,47.803 56.058,47.803 56.058,55.379 cw(c56.235,54.511) 56.236,55.397
BATT- on Top Layer "Top Layer-BATT-" (solid, remove dead copper, pour order 52): 0.004,33.096 0.004,55.474 54,55.474 54,48.692 cw(c52.578,48.692) 52.578,47.269 20.371,47.269 ccw(c20.371,46.101) 19.202,46.101 19.202,35.103 cw(c17.145,35.103) 17.145,33.045 0.055,33.045 cw(c0.055,33.096)
PACK+ on Top Layer "Top Layer-PACK+" (solid, remove dead copper, pour order 50): 59.969,1.441 ccw(c61.417,1.441) 61.417,-0.007 107.425,-0.007 ccw(c107.425,2.533) 109.965,2.533 109.965,32.156 ccw(c107.425,32.156) 107.425,34.696 97.358,34.696 ccw(c97.358,33.223) 95.885,33.223 cw(c95.504,33.223) 95.504,32.842 91.592,32.842 cw(c91.592,33.884) 90.551,33.884 90.551,34.417 ccw(c89.967,34.417) 89.967,35.001 85.496,35.001 ccw(c85.496,32.639) 83.134,32.639 cw(c82.347,32.639) 82.347,31.852 77.699,31.852 ccw(c77.699,31.064) 76.911,31.064 76.911,20.777 ccw(c79.451,20.777) 79.451,18.237 85.496,18.237 ccw(c85.496,20.777) 88.036,20.777 88.036,27.864 cw(c89.51,27.864) 89.51,29.337 91.846,29.337 cw(c91.846,26.797) 94.386,26.797 94.386,8.484 cw(c91.846,8.484) 91.846,5.944 61.112,5.944 ccw(c61.112,4.801) 59.969,4.801
NetQ18_2 on Top Layer "Top Layer-No Net 5" (solid, remove dead copper, pour order 72): 55.648,122.453 60.55,122.453 60.55,118.897 55.648,118.897
BATT+ on Top Layer "Top Layer-BATT+" (solid, remove dead copper, pour order 60): 0.004,33.096 17.506,33.096 cw(c17.506,30.556) 20.046,30.556 20.046,21.572 ccw(c21.121,21.572) 21.121,20.498 24.028,20.498 ccw(c24.028,21.209) 24.74,21.209 24.74,30.15 cw(c27.28,30.15) 27.28,32.69 30.15,32.69 cw(c30.15,30.15) 32.69,30.15 32.69,18.929 cw(c32.196,18.929) 32.196,18.435 27.599,18.435 ccw(c27.599,17.429) 26.594,17.429 26.594,6.782 ccw(c27.534,6.782) 27.534,5.842 48.768,5.842 cw(c48.768,5.572) 49.038,5.572 49.038,3.85 51.055,3.85 cw(c51.055,3.826) 51.079,3.826 51.079,0.934 cw(c50.14,0.934) 50.14,-0.006 1.606,-0.006 cw(c1.606,1.6) 0,1.6 0,33.083
CD on Top Layer "Top Layer-NetQ1_2" (solid, remove dead copper, pour order 48): 19.279,35.077 ccw(c21.666,35.077) 21.666,32.69 35.89,32.69 cw(c35.89,30.15) 38.43,30.15 38.43,19.075 cw(c36.703,19.075) 36.703,17.348 29.972,17.348 ccw(c29.972,15.215) 27.838,15.215 27.838,7.442 ccw(c29.007,7.442) 29.007,6.274 92.075,6.274 ccw(c92.075,7.595) 93.396,7.595 93.396,15.9 ccw(c92.075,15.9) 92.075,17.221 72.746,17.221 cw(c72.746,18.263) 71.704,18.263 71.704,32.055 cw(c72.593,32.055) 72.593,32.944 80.391,32.944 ccw(c80.391,35.484) 82.931,35.484 82.931,44.729 ccw(c80.391,44.729) 80.391,47.269 20.371,47.269 ccw(c20.371,46.177) 19.279,46.177
no net on Top Layer "Top Layer-No Net" (solid, pour order 46): 0,54.254
C9 on Top Layer "TL-C9" (solid, remove dead copper, pour order 38): 4.699,95.504 4.699,98.933 4.953,98.679 16.002,98.679 16.002,94.615 13.843,94.615 12.954,95.504
C10 on Top Layer "TL-C10" (solid, remove dead copper, pour order 36): 4.699,102.87 4.699,99.187 4.826,99.06 16.002,99.06 16.002,102.997 9.525,102.997 9.398,102.87
C11 on Top Layer "TL-C11" (solid, remove dead copper, pour order 34): 4.699,106.045 9.271,106.045 10.668,107.442 10.795,107.315 16.129,107.315 16.129,103.378 9.398,103.378 8.89,102.87 4.699,102.87
C12 on Top Layer "TL-C12" (solid, remove dead copper, pour order 32): 4.699,109.728 10.033,109.728 12.065,111.76 16.002,111.76 16.002,107.823 10.414,107.823 8.636,106.045 4.699,106.045
C13 on Top Layer "TL-C13" (solid, remove dead copper, pour order 30): 4.699,113.157 8.636,113.157 11.684,116.205 16.002,116.205 16.002,112.268 12.192,112.268 9.652,109.728 4.699,109.728
C14 on Top Layer "TL-C14" (solid, remove dead copper, pour order 28): 4.699,116.459 8.509,116.459 9.271,117.221 9.271,120.523 9.525,120.777 16.002,120.777 16.002,116.713 12.192,116.713 8.636,113.157 4.699,113.157
B15 on Top Layer "TL-C15" (solid, remove dead copper, pour order 26): 4.699,116.459 4.699,126.848 16.002,126.848 16.002,121.031 8.763,121.031 8.255,120.523 8.255,116.459
C8 on Top Layer "TL-C8" (solid, remove dead copper, pour order 24): 16.002,94.107 16.002,89.916 13.48,89.916 11.448,91.948 4.699,91.948 4.699,95.504 12.954,95.504 14.351,94.107
C7 on Top Layer "TL-C7" (solid, remove dead copper, pour order 22): 4.699,88.519 4.699,91.948 11.448,91.948 13.734,89.662 16.002,89.662 16.002,85.725 11.43,85.725 8.636,88.519
C6 on Top Layer "TL-C6" (solid, remove dead copper, pour order 18): 4.699,85.09 4.699,88.519 8.636,88.519 11.811,85.344 16.002,85.344 16.002,81.407 13.103,81.407 9.166,85.09
C5 on Top Layer "TL-C5" (solid, remove dead copper, pour order 16): 4.699,81.407 4.699,85.09 9.293,85.09 13.484,80.899 16.002,80.899 16.002,76.962 13.843,76.962 9.398,81.407
C4 on Top Layer "TL-C4" (solid, remove dead copper, pour order 12): 4.699,77.851 4.699,81.407 9.017,81.407 13.97,76.454 16.002,76.454 16.002,72.517 12.7,72.517 12.192,73.025 12.192,74.006 8.164,77.851
C3 on Top Layer "TL-C3" (solid, remove dead copper, pour order 10): 4.699,77.851 7.874,77.851 11.943,73.782 11.943,73.274 13.081,72.136 16.002,72.136 16.002,68.199 13.97,68.199 10.287,71.882 7.874,74.295 4.699,74.295
C2 on Top Layer "TL-C2" (solid, remove dead copper, pour order 8): 4.699,71.12 4.699,74.422 7.493,74.422 9.906,72.009 14.224,67.691 16.129,67.691 16.129,63.754 13.97,63.754 8.128,69.596 8.128,71.12
C1 on Top Layer "TL-C1" (solid, remove dead copper, pour order 4): 4.699,70.866 4.699,67.818 6.223,67.818 11.176,62.865 11.176,59.817 12.065,58.928 16.002,58.928 16.002,63.373 13.97,63.373 8.128,69.215 8.128,70.866
GND on Bottom Layer "Bottom Layer-No Net" (solid, remove dead copper, pour order 80): 0.004,55.474 0.004,142 109.971,142 109.971,55.474
BATT- on Bottom Layer "Bottom Layer-BATT-" (solid, remove dead copper, pour order 66): 0,33.083 0,55.461 54,55.461 54,47.257 20.367,47.257 ccw(c20.367,46.088) 19.198,46.088 19.198,35.09 cw(c17.141,35.09) 17.141,33.033 0.051,33.033 cw(c0.051,33.083)
BATT+ on Bottom Layer "Top Layer-BATT+" (solid, remove dead copper, pour order 44): 0.004,33.096 35.781,33.096 cw(c36.114,31.14) 37.998,31.762 37.998,20.371 cw(c35.744,20.714) 35.687,18.435 27.599,18.435 ccw(c27.599,17.429) 26.594,17.429 26.594,6.782 ccw(c27.534,6.782) 27.534,5.842 48.768,5.842 cw(c48.768,5.573) 49.038,5.572 49.038,3.85 51.055,3.85 cw(c51.055,3.826) 51.079,3.826 51.079,0.934 cw(c50.14,0.934) 50.14,-0.006 1.606,-0.006 cw(c1.606,1.6) 0,1.6 0,33.083
PACK- on Bottom Layer "Bottom Layer-PACK-" (solid, remove dead copper, pour order 70): 109.971,55.397 109.971,35.331 cw(c109.48,35.822) 109.48,35.128 96.661,35.128 cw(c96.661,35.803) 96.184,35.326 95.493,36.017 ccw(c94.021,34.546) 94.021,36.627 85.231,36.627 cw(c85.231,38.557) 83.301,38.557 83.301,45.263 ccw(c80.761,45.263) 80.761,47.803 58.522,47.803 58.522,55.397
NetQ18_2 on Bottom Layer "Top Layer-No Net 5" (solid, remove dead copper, pour order 76): 55.648,122.453 60.55,122.453 60.55,118.897 55.648,118.897
PACK+ on Bottom Layer "Top Layer-PACK+" (solid, remove dead copper, pour order 64): 59.969,1.448 ccw(c61.417,1.448) 61.417,0 107.425,0 ccw(c107.425,2.54) 109.965,2.54 109.965,32.164 ccw(c107.425,32.164) 107.425,34.704 97.358,34.704 ccw(c97.358,33.23) 95.885,33.23 cw(c95.504,33.23) 95.504,32.849 91.592,32.849 cw(c91.592,33.891) 90.551,33.891 90.551,34.424 ccw(c89.967,34.424) 89.967,35.008 85.496,35.008 ccw(c85.496,32.646) 83.134,32.646 cw(c82.347,32.646) 82.347,31.859 77.699,31.859 ccw(c77.699,31.071) 76.911,31.071 76.911,20.784 ccw(c79.451,20.784) 79.451,18.244 85.496,18.244 93.472,18.244 93.472,5.951 61.112,5.951 ccw(c61.112,4.808) 59.969,4.808
CD on Bottom Layer "Top Layer-NetQ1_2" (solid, remove dead copper, pour order 62): 19.279,35.077 ccw(c21.666,35.077) 21.666,32.69 35.89,32.69 cw(c35.89,30.15) 38.43,30.15 38.43,19.075 cw(c36.703,19.075) 36.703,17.348 29.972,17.348 ccw(c29.972,15.215) 27.838,15.215 27.838,7.442 ccw(c29.007,7.442) 29.007,6.274 92.075,6.274 ccw(c92.075,7.595) 93.396,7.595 93.396,15.9 ccw(c92.075,15.9) 92.075,17.221 72.746,17.221 cw(c72.746,18.263) 71.704,18.263 71.704,32.055 cw(c72.593,32.055) 72.593,32.944 80.391,32.944 ccw(c80.391,35.484) 82.931,35.484 82.931,44.729 ccw(c80.391,44.729) 80.391,47.269 20.371,47.269 ccw(c20.371,46.177) 19.279,46.177

## Keep-outs
Keep-Out Layer:
  the board outline again, w0.254

## Other copper
Top Layer:
  pour cut-out: 1,137 ccw(c5,137) 5,133 ccw(c5,137) 9,137 ccw(c5,137) 5,141 ccw(c5,137)
  pour cut-out: 101,137 ccw(c105,137) 105,133 ccw(c105,137) 109,137 ccw(c105,137) 105,141 ccw(c105,137)
  pour cut-out: 101,5 ccw(c105,5) 105,1 ccw(c105,5) 109,5 ccw(c105,5) 105,9 ccw(c105,5)
  pour cut-out: 1,5 ccw(c5,5) 5,1 ccw(c5,5) 9,5 ccw(c5,5) 5,9 ccw(c5,5)
Bottom Layer:
  pour cut-out: 101,137 ccw(c105,137) 105,133 ccw(c105,137) 109,137 ccw(c105,137) 105,141 ccw(c105,137)
  pour cut-out: 1,137 ccw(c5,137) 5,133 ccw(c5,137) 9,137 ccw(c5,137) 5,141 ccw(c5,137)
  pour cut-out: 101,5 ccw(c105,5) 105,1 ccw(c105,5) 109,5 ccw(c105,5) 105,9 ccw(c105,5)
  pour cut-out: 1,5 ccw(c5,5) 5,1 ccw(c5,5) 9,5 ccw(c5,5) 5,9 ccw(c5,5)

## Silkscreen, mask and mechanical layers (free items; w line width, h text height)
Top Overlay:
  drawing of 4 lines, arcs and shapes, not listed
  text "BMS R00" at 26.924,139.014 h1.5
  text "Battery Monitor System" at 26.924,136.949 h1.5
  text "I.D.C.I - TOBIAS BAVASSO PIIZZI" at 26.924,134.391 h1.5
  text "VDD" at 89.042,132.955 h1 r90
  text "RX" at 91.994,132.955 h1 r90
  text "TX" at 94.994,132.955 h1 r90
  text "CAN L" at 97.994,132.955 h1 r90
  text "CAN H" at 100.994,132.955 h1 r90
  text "CELDAS" at 26.924,130.708 h1.5
  text "VARIANTE" at 26.924,128.397 h1.5
  text "GND" at 108.661,127.282 h1 r90
  text "VDD" at 108.661,123.774 h1 r90
  text "VC15" at 46.584,123.292 h1
  text "GND" at 87.732,121.158 h1
  text "SCL" at 91.994,119.42 h1 r90
  text "SDA" at 93.929,119.329 h1 r90
  text "SMBD" at 100.482,118.237 h1 r90
  text "SMBC" at 102.01,118.171 h1 r90
  text "C15" at 8.865,117.78 h1.15
  text "VDD" at 99.314,116.484 h1
  text "C14" at 8.139,114.267 h1.15
  text "VCC" at 99.416,112.268 h1
  text "C13" at 8.139,110.762 h1.15
  text "VC10" at 45.898,109.677 h1
  text "SDA" at 100.863,107.366 h1 r90
  text "SCL" at 103.073,107.366 h1 r90
  text "C12" at 8.139,107.258 h1.15
  text "C11" at 8.139,103.753 h1.15
  text "C10" at 8.139,100.249 h1.15
  text "VC5" at 46.431,98.958 h1
  text "C9" at 8.139,96.744 h1.15
  text "C8" at 8.139,93.239 h1.15
  text "VDD" at 99.492,91.161 h1
  text "C7" at 8.139,89.735 h1.15
  text "C6" at 8.139,86.23 h1.15
  text "CAN H" at 109.22,82.804 h1 r90
  text "C5" at 8.139,82.726 h1.15
  text "ALERT" at 51.471,79.921 h1
  text "C4" at 8.139,79.221 h1.15
  text "C3" at 8.139,75.717 h1.15
  text "C2" at 8.139,72.212 h1.15
  text "CAN L" at 109.22,72.136 h1 r90
  text "CP EN" at 93.65,71.603 h1
  text "PMON EN" at 103.505,70.968 h1 r90
  text "DSG EN" at 55.829,69.037 h1 r90
  text "CHG EN" at 58.115,69.037 h1 r90
  text "C1" at 8.139,68.707 h1.15
  text "C0" at 8.139,65.203 h1.15
  text "PCH" at 85.776,64.999 h0.75 r90
  text "CHG" at 85.242,63.348 h0.75
  text "GND" at 1.854,59.131 h1
  text "DSG" at 94.132,57.252 h1
  text "PACK-" at 100.305,55.091 h1.5
  text "BATT-" at 4.989,41.478 h1.5
  text "BATT+" at 4.989,16.073 h1.5
  text "PACK+" at 100.359,16.073 h1.5
Bottom Overlay:
  text "VDD" at 88.026,130.344 h1 r270
  text "RX" at 90.978,130.344 h1 r270
  text "TX" at 93.978,130.344 h1 r270
  text "CAN L" at 96.978,130.344 h1 r270
  text "CAN H" at 99.978,130.344 h1 r270
  text "GND" at 105.969,127.33 h1 r90
  text "SCL" at 90.932,121.456 h1 r270
  text "VDD" at 102.921,121.467 h1 r270
  text "SDA" at 93.929,121.357 h1 r270
  text "GND" at 87.935,121.346 h1 r270
  text "SMBD" at 96.926,120.262 h1 r270
  text "SMBC" at 99.924,120.207 h1 r270
  text "C15" at 10.893,117.772 h1
  text "C14" at 10.948,114.267 h1
  text "C13" at 10.893,110.762 h1
  text "C12" at 10.893,107.258 h1
  text "C11" at 10.401,103.753 h1
  text "C10" at 10.893,100.249 h1
  text "C9" at 9.995,96.744 h1
  text "C8" at 10.05,93.239 h1
  text "C7" at 10.05,89.735 h1
  text "C6" at 9.995,86.23 h1
  text "C5" at 10.05,82.726 h1
  text "C4" at 10.105,79.221 h1
  text "C3" at 10.05,75.717 h1
  text "C2" at 10.05,72.212 h1
  text "C1" at 9.557,68.707 h1
  text "C0" at 10.05,65.203 h1
  text "PACK-" at 107.3,55.091 h1.5
  text "BATT-" at 9.249,41.424 h1.5
  text "BATT+" at 9.249,16.073 h1.5
  text "PACK+" at 107.3,16.073 h1.5

## Text inside footprints (layer, text, board x,y; h text height)
J6: Top Overlay "1" at 106.045,111.379 h1 r90